# Altium PCB betaV2.3.PcbDoc (part 1 of 2)
Units mm, origin at the board's own origin, x right, y up, seen from the top; angles counter-clockwise.
Board outline 80.01 x 100.08 mm, 2 copper layers (Top Layer, Bottom Layer), stack 1.671 mm thick; 215 components, 117 nets, 570 pads, 209 vias.
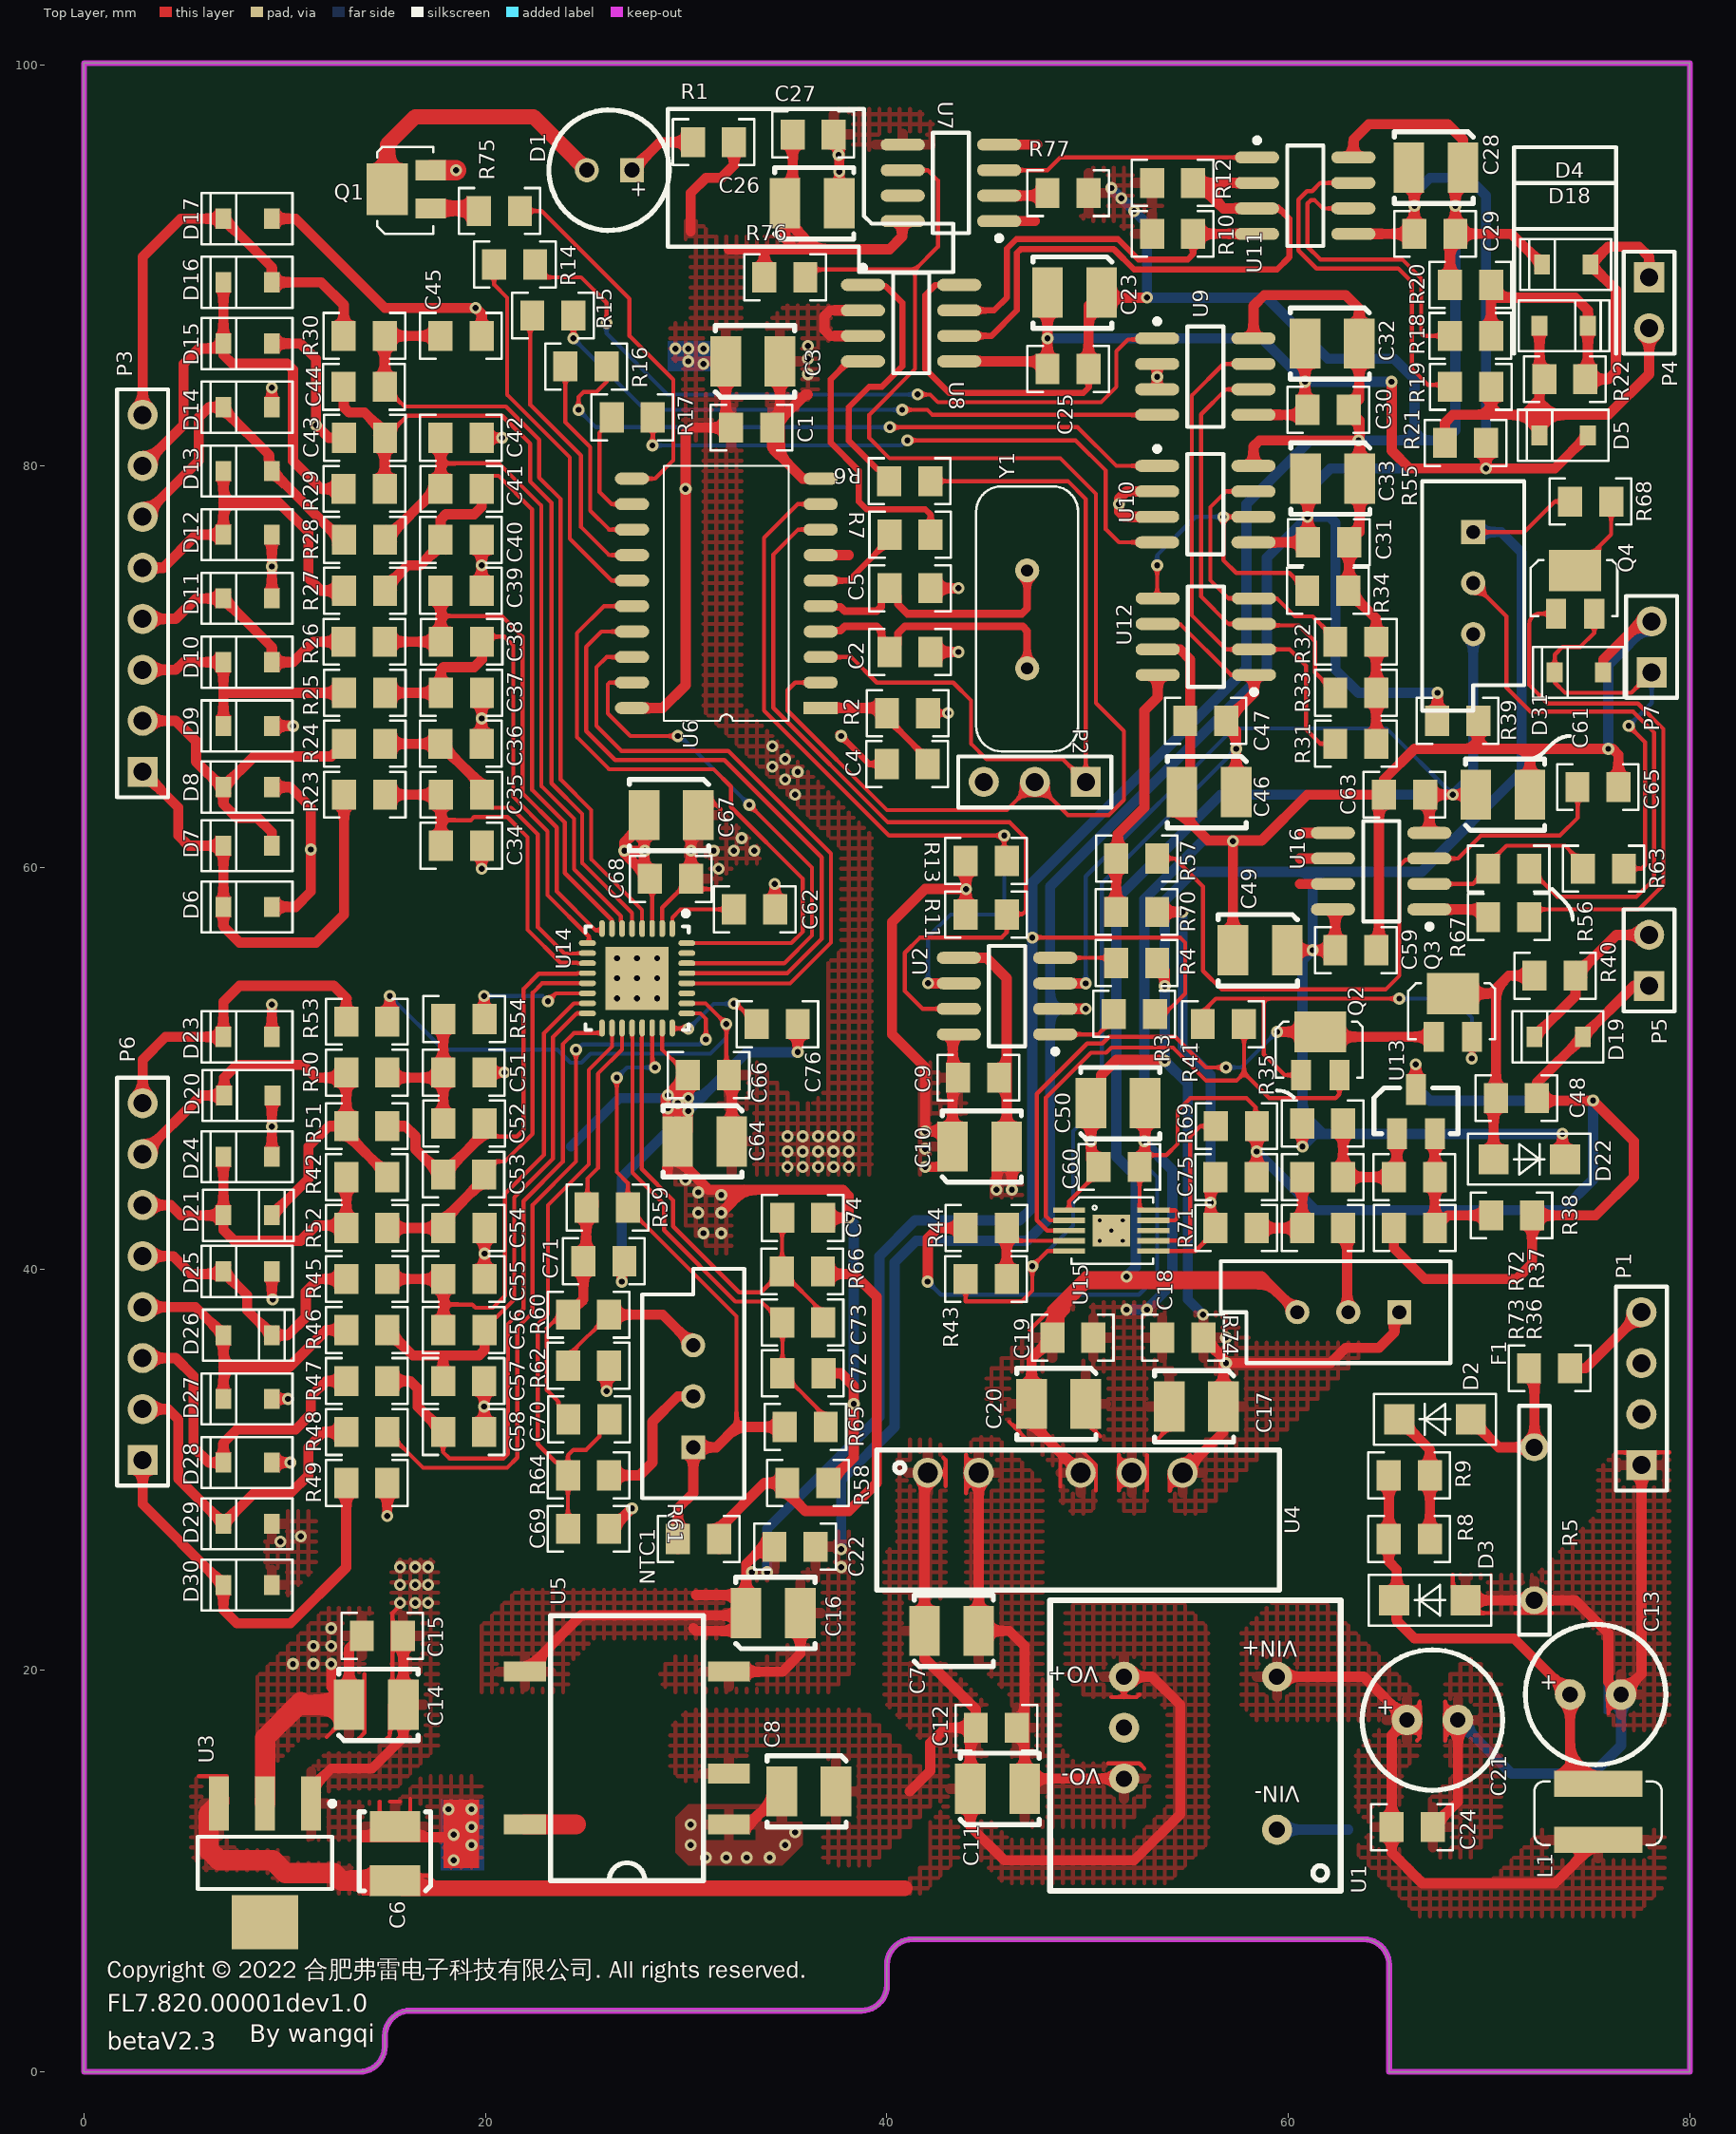
[diagram p0: Top Layer view]
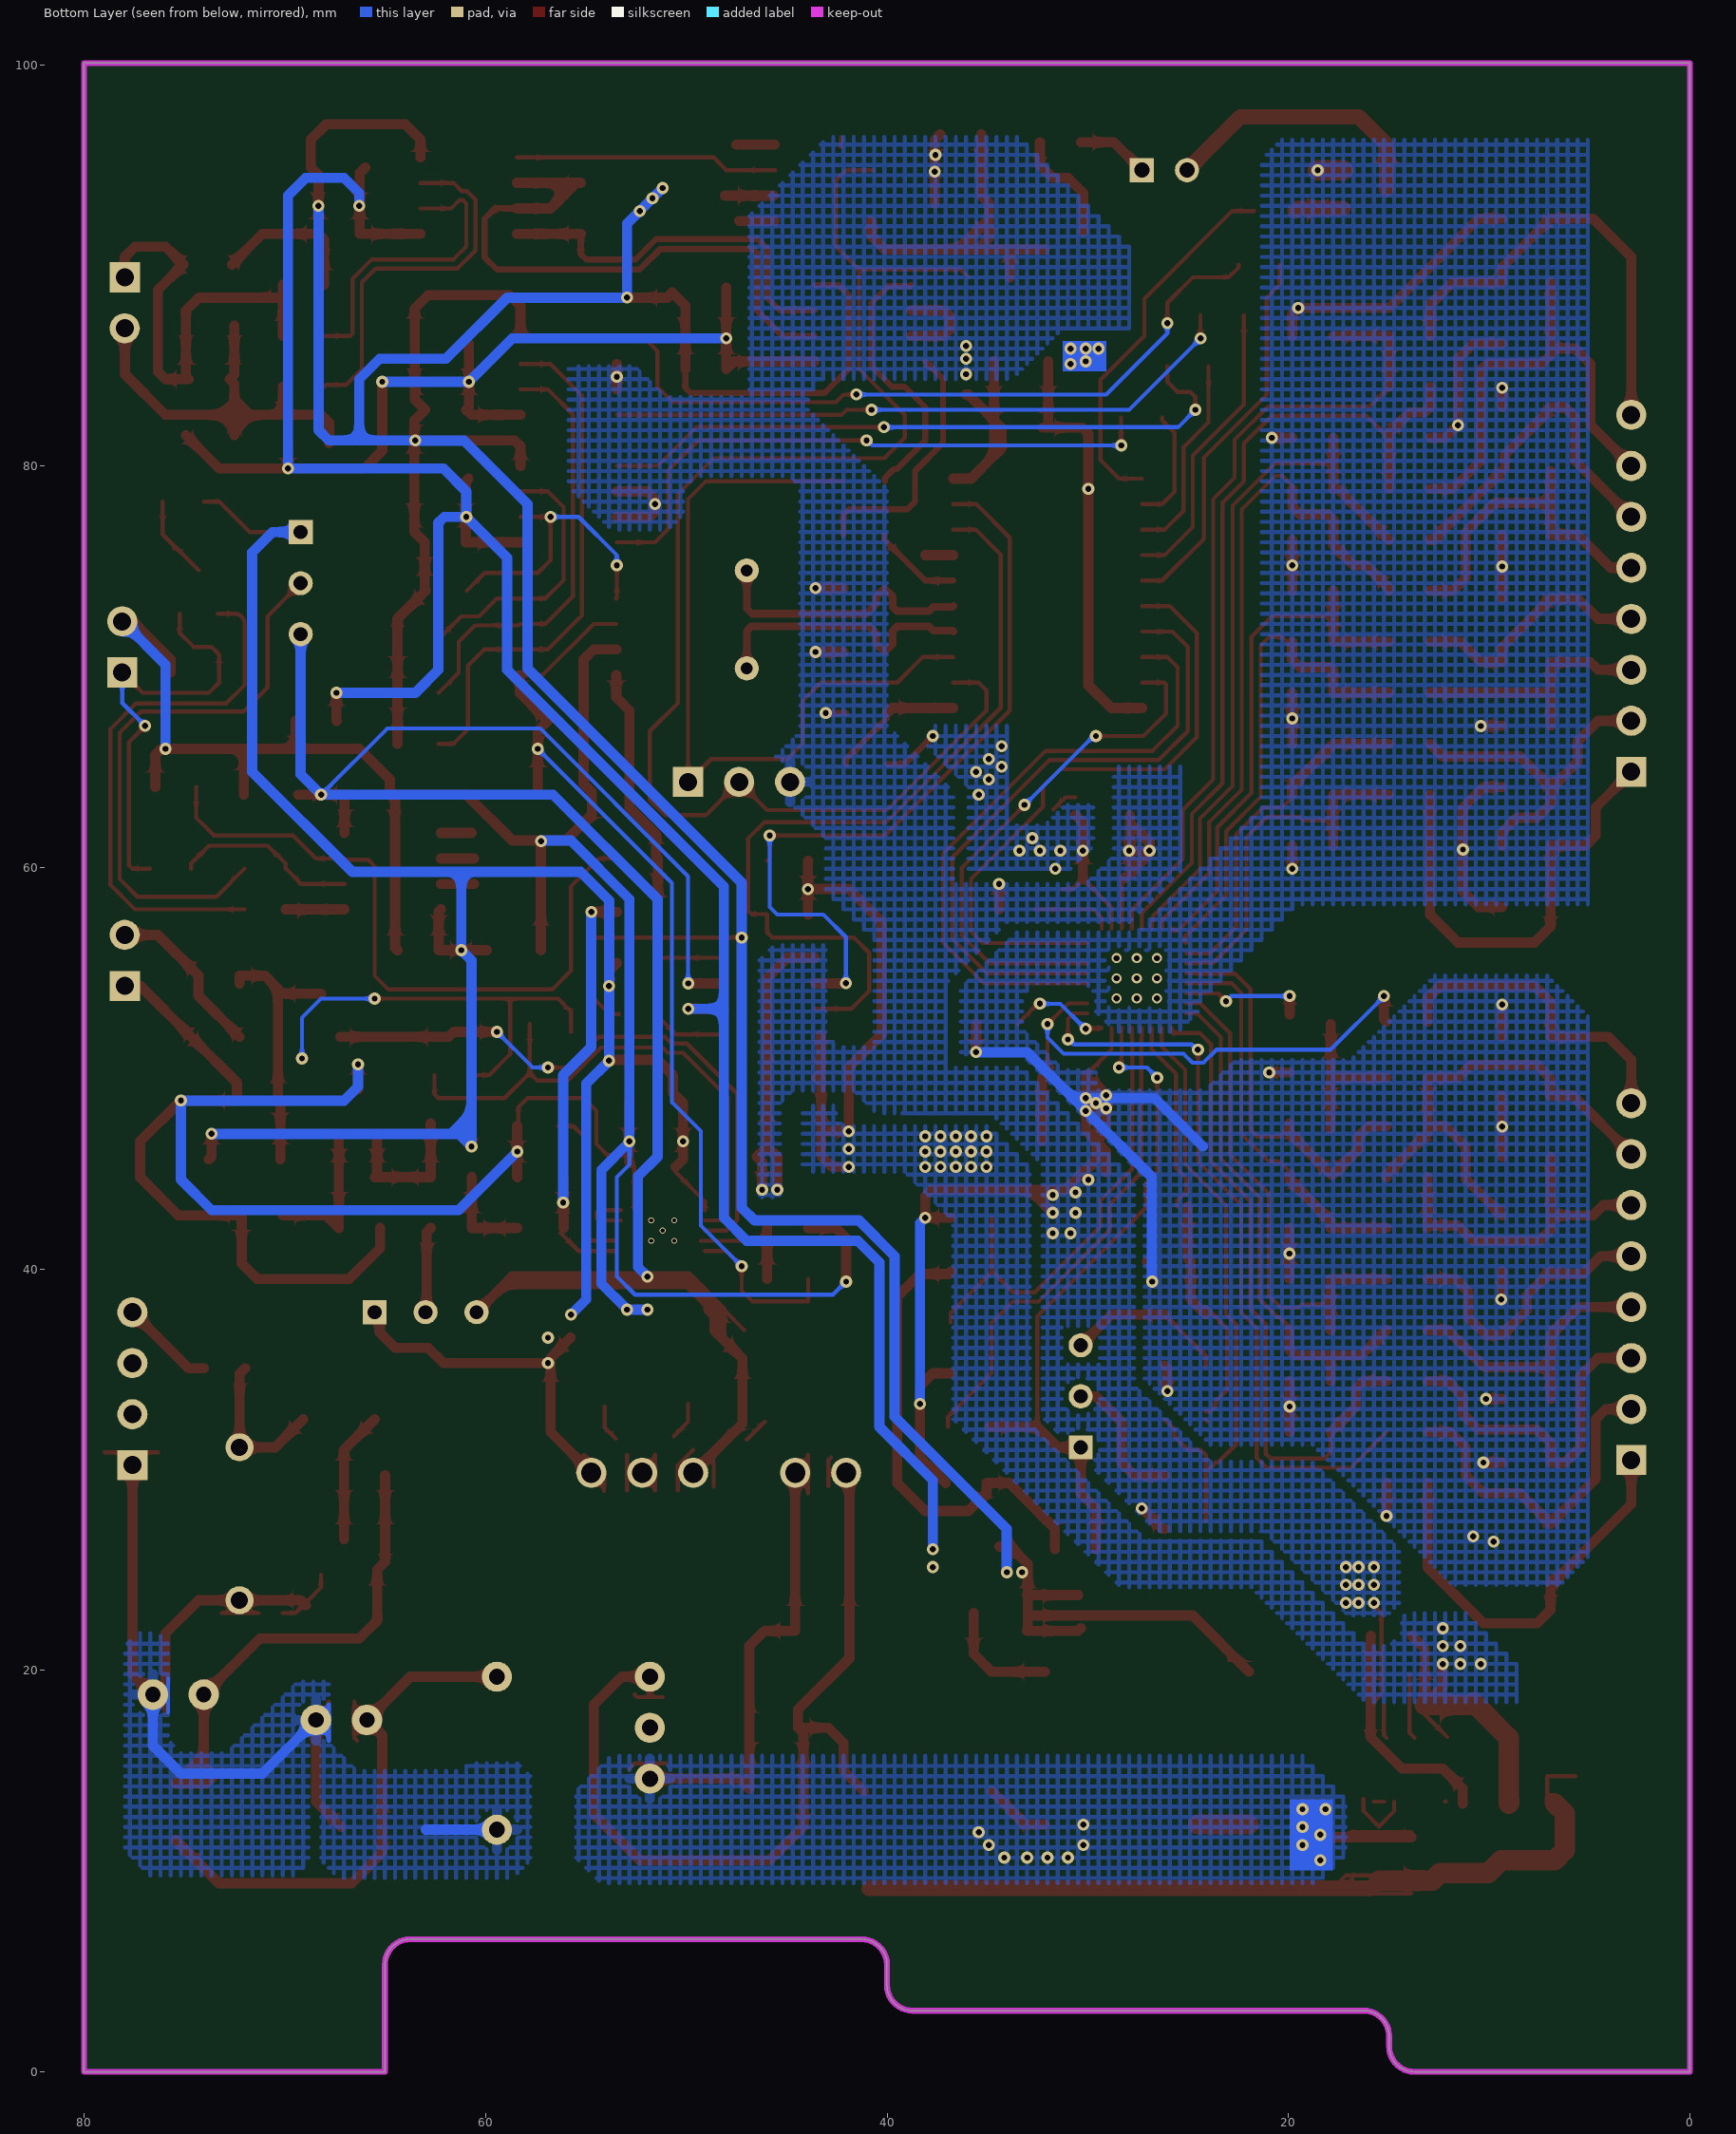
[diagram p1: Bottom Layer view, seen from below]
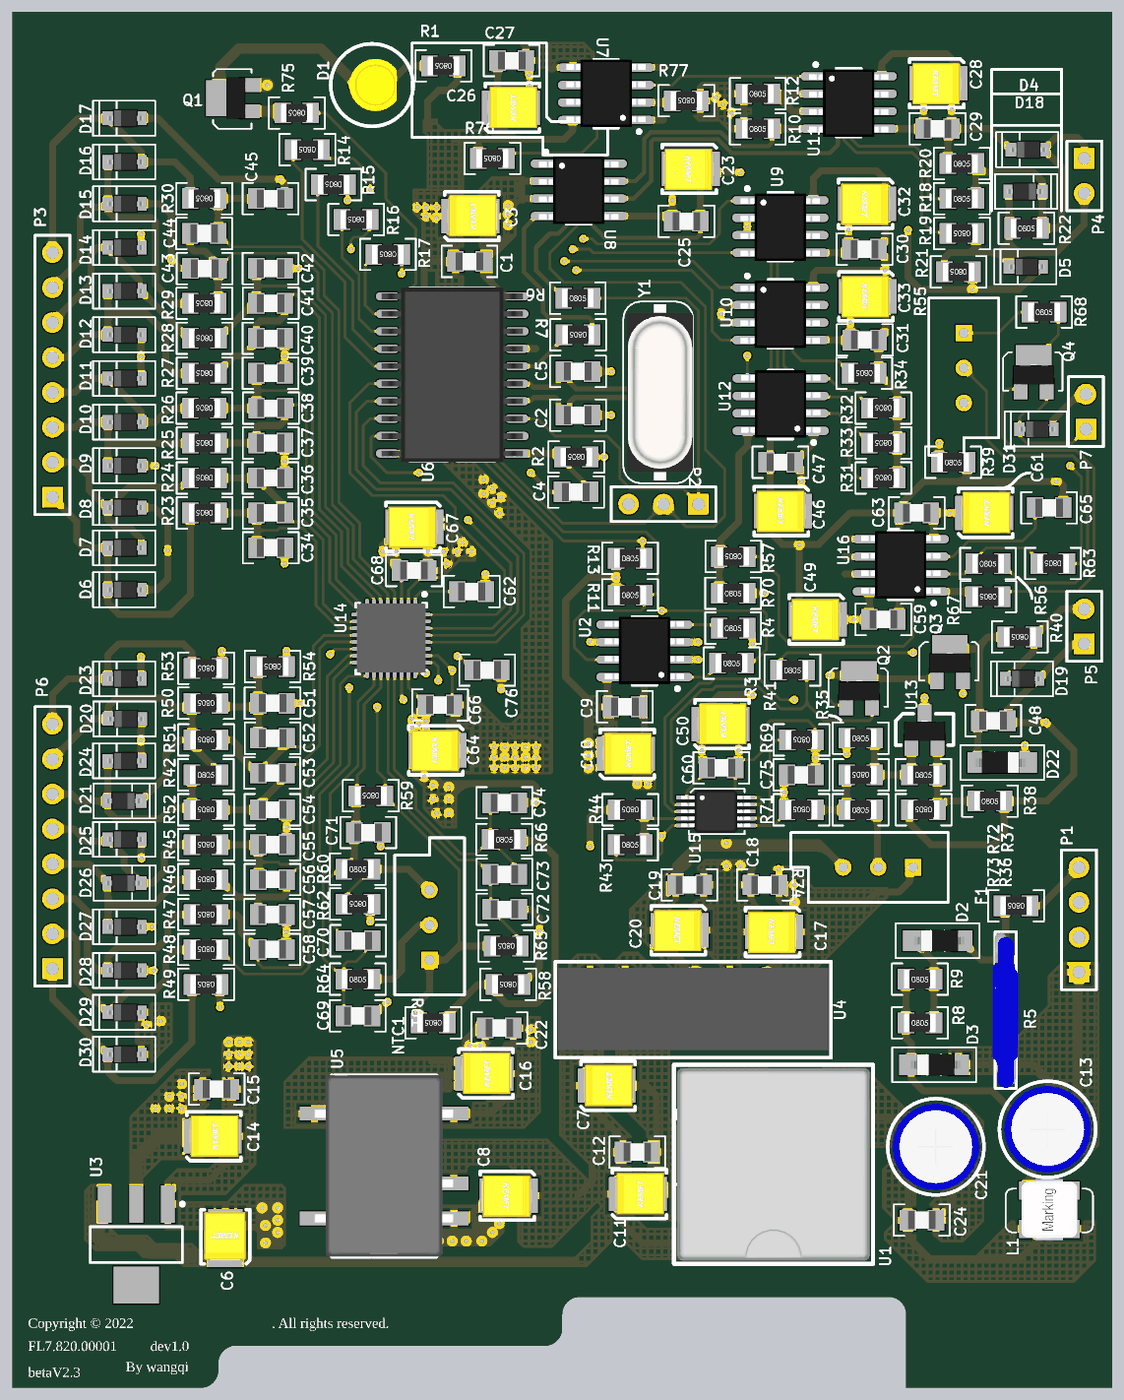
[diagram p3: 3D render of the assembled board from above, using the file's embedded part models]

## Layer stack, top to bottom
Top Solder: solder mask 0.0102, Solder Resist, Dk 3.5
Top Layer: signal copper 0.0356
Dielectric 1: dielectric 1.6, FR-4, Dk 4.8
Bottom Layer: signal copper 0.0356
Bottom Solder: solder mask 0.0102, Solder Resist, Dk 3.5

## Board outline
0,0 0,100.076 80.01,100.076 80.01,0 65.024,0 65.024,5.334 ccw(c63.754,5.334) 63.754,6.604 41.275,6.604 ccw(c41.275,5.334) 40.005,5.334 40.005,4.318 cw(c38.735,4.318) 38.735,3.048 16.256,3.048 ccw(c16.256,1.778) 14.986,1.778 14.986,1.27 cw(c13.716,1.27) 13.716,0

## Design rules (kind name [scope] priority, off if disabled: settings)
Clearance [All] p1: gap=0.254 ignorepadtopadclearanceinfootprint=FALSE except(0.2: Arc-Arc Arc-Track Arc-SMDPad Track-Track Track-SMDPad SMDPad-SMDPad)
DiffPairsRouting COM485_DiffPairsRouting [InDifferentialPair ('RS485')] p1: maxlimit=0.254 minlimit=0.254 mostfreqgap=0.254 toplayer_minwidth=0.203 toplayer_maxwidth=0.508 toplayer_prefwidth=0.203 bottomlayer_minwidth=0.203 bottomlayer_maxwidth=0.508 bottomlayer_prefwidth=0.203 maxuncoupledlength=12.7
DiffPairsRouting ADC_DiffPairsRouting [All] p2: maxlimit=0.254 minlimit=0.254 mostfreqgap=0.254 toplayer_minwidth=0.203 toplayer_maxwidth=0.508 toplayer_prefwidth=0.203 bottomlayer_minwidth=0.203 bottomlayer_maxwidth=0.508 bottomlayer_prefwidth=0.203 maxuncoupledlength=12.7
MatchedLengths COM485_MatchedLengths [InDifferentialPair ('RS485')] p1: tolerance=25.4 checknetsindiffpair=FALSE checkdiffpairvsdiffpair=TRUE checkxsignals=TRUE checkothers=TRUE
MatchedLengths ADC_MatchedLengths [InDifferentialPair('CHN2') And InDifferentialPair('CHN2') And InDifferentialPair('CHN3')And InDifferentialPair('CHN4')And InDifferentialPair('CHN5')And InDifferentialPair('CHN6')And InDifferentialPair('CHN7')And InDifferentialPair('REFIN1')] p2: tolerance=25.4 checknetsindiffpair=FALSE checkdiffpairvsdiffpair=TRUE checkxsignals=TRUE checkothers=TRUE
PolygonConnect PolygonConnectVia [IsVia] p1: connectstyle=Direct reliefconductorwidth=0.254 reliefentries=4 polygonreliefangle="90 Angle" airgapwidth=0.254
PolygonConnect [All] p2: connectstyle=Relief reliefconductorwidth=0.508 reliefentries=4 polygonreliefangle="90 Angle" airgapwidth=0.254
RoutingVias [All] p1: holewidth=0.3 width=0.6 viastyle="Through Hole" minholewidth=0.254 minwidth=0.508 maxholewidth=0.711 maxwidth=1.27
ShortCircuit [All] p1: allowed=TRUE
SilkToSilkClearance [All] p1 off: silktosilkclearance=0.254
SolderMaskExpansion [All] p1: expansion=0.102 istentingtop=FALSE
Width [All] p1: maxlimit=1.016 minlimit=0.203 preferedwidth=0.203
27 further rules are at their usual default settings.

## Classes and differential pairs
differential pair XTAL: +XTAL_P -XTAL_N
differential pair RS485: +RS485_P -RS485_N
differential pair CHN5: +CHN5_P -CHN5_N
differential pair CHN7: +CHN7_P -CHN7_N
differential pair CHN6: +CHN6_P -CHN6_N
differential pair REFIN1: +REFIN1_P -REFIN1_N
differential pair CHN4: +CHN4_P -CHN4_N
differential pair CHN3: +CHN3_P -CHN3_N
differential pair CHN2: +CHN2_P -CHN2_N
differential pair CHN1: +CHN1_P -CHN1_N

## Components (designator, comment, footprint, x,y, rotation, side; value= is the part's Value field where it differs from the comment)
C1 "CC0805MRX7R9BB104" 0805C 32.242,81.915 r0 top value=0.1uF
C2 "CC0805MRX7R9BB330" 0805C 40.132,70.739 r0 top value=33pF
C3 "T494B106M006AHAUTO" CB 31.971,85.217 r90 top value=10uF
C4 "CC0805MRX7R9BB106" 0805C 39.989,65.151 r0 top value=10uF
C5 "CC0805MRX7R9BB330" 0805C 40.132,73.914 r0 top value=33pF
C6 "T494B106M006AHAUTO" CB 15.494,9.525 r180 top value=10uF
C7 "T494B106M006AHAUTO" CB 41.877,21.971 r90 top value=10uF
C8 "T494B106M006AHAUTO" CB 37.465,13.97 r270 top value=10uF
C9 "CC0805MRX7R9BB104" 0805C 43.545,49.53 r0 top value=0.1uF
C10 "T494B106M006AHAUTO" CB 43.274,46.101 r90 top value=10uF
C11 "T494B107M006AHAUTO" CB 44.163,14.097 r90 top value=100uF
C12 "CC0805MRX7R9BB104" 0805C 46.482,17.145 r180 top value=0.1uF
C13 "ECR1HQG100M-063007" Φ6.3×11.5 74.041,18.796 r0 top value=10uF
C14 "T494B476M010AHAUTO" CB 13.208,18.288 r90 top value=47uF
C15 "CC0805MRX7R9BB104" 0805C 13.843,21.717 r0 top value=0.1uF
C16 "T494B106M006AHAUTO" CB 32.987,22.86 r90 top value=10uF
C17 "T494B476K025ATAUTO" CB 56.769,33.147 r270 top value=47uF
C18 "CC0805MRX7R9BB104" 0805C 55.769,36.576 r180 top value=0.1uF
C19 "CC0805MRX7R9BB104" 0805C 48.244,36.576 r0 top value=0.1uF
C20 "T494B476K025ATAUTO" CB 49.911,33.274 r270 top value=47uF
C21 "ECR1HQG100M-063007" Φ6.3×11.5 65.913,17.526 r0 top value=10uF
C22 "CC0805MRX7R9BB104" 0805C 36.449,26.162 r180 top value=0.1uF
C23 "T494B106M006AHAUTO" CB 50.706,88.646 r270 top value=10uF
C24 "CC0805MRX7R9BB104" 0805C 65.151,12.192 r0 top value=0.1uF
C25 "CC0805MRX7R9BB104" 0805C 50.054,84.836 r180 top value=0.1uF
C26 "T494B106M006AHAUTO" CB 34.925,93.091 r90 top value=10uF
C27 "CC0805MRX7R9BB104" 0805C 35.306,96.52 r0 top value=0.1uF
C28 "T494B106M006AHAUTO" CB 68.707,94.869 r270 top value=10uF
C29 "CC0805MRX7R9BB104" 0805C 68.326,91.567 r180 top value=0.1uF
C30 "CC0805MRX7R9BB104" 0805C 63.008,82.804 r180 top value=0.1uF
C31 "CC0805MRX7R9BB104" 0805C 63.032,76.2 r180 top value=0.1uF
C32 "T494B106M006AHAUTO" CB 63.533,86.106 r270 top value=10uF
C33 "T494B106M006AHAUTO" CB 63.557,79.375 r270 top value=10uF
C34 "CC0805MRX7R9BB103" 0805C 17.78,61.087 r0 top value=0.01uF
C35 "CC0805MRX7R9BB104" 0805C 17.78,63.627 r0 top value=0.1uF
C36 "CC0805MRX7R9BB103" 0805C 17.764,66.167 r0 top value=0.01uF
C37 "CC0805MRX7R9BB103" 0805C 17.78,68.707 r0 top value=0.01uF
C38 "CC0805MRX7R9BB104" 0805C 19.828,71.247 r180 top value=0.1uF
C39 "CC0805MRX7R9BB103" 0805C 17.764,73.787 r0 top value=0.01uF
C40 "CC0805MRX7R9BB103" 0805C 17.764,76.327 r0 top value=0.01uF
C41 "CC0805MRX7R9BB104" 0805C 19.812,78.867 r180 top value=0.1uF
C42 "CC0805MRX7R9BB103" 0805C 17.764,81.407 r0 top value=0.01uF
C43 "CC0805MRX7R9BB103" 0805C 15.002,81.407 r180 top value=0.01uF
C44 "CC0805MRX7R9BB104" 0805C 12.938,83.947 r0 top value=0.1uF
C45 "CC0805MRX7R9BB103" 0805C 17.764,86.487 r0 top value=0.01uF
C46 "T494B106M006AHAUTO" CB 57.404,63.754 r270 top value=10uF
C47 "CC0805MRX7R9BB104" 0805C 54.864,67.31 r0 top value=0.1uF
C48 "CC0805MRX7R9BB103" 0805C 70.342,48.514 r0 top value=0.01uF
C49 "T494B106M025AHAUTO" CB 59.944,55.88 r270 top value=10uF
C50 "T494B106M025AHAUTO" CB 50.165,48.26 r90 top value=10uF
C51 "CC0805MRX7R9BB103" 0805C 17.907,49.784 r0 top value=0.01uF
C52 "CC0805MRX7R9BB104" 0805C 19.955,47.244 r180 top value=0.1uF
C53 "CC0805MRX7R9BB104" 0805C 17.891,44.704 r0 top value=0.1uF
C54 "CC0805MRX7R9BB103" 0805C 17.907,42.037 r0 top value=0.01uF
C55 "CC0805MRX7R9BB103" 0805C 17.907,39.497 r0 top value=0.01uF
C56 "CC0805MRX7R9BB104" 0805C 17.907,36.957 r0 top value=0.1uF
C57 "CC0805MRX7R9BB103" 0805C 17.891,34.417 r0 top value=0.01uF
C58 "CC0805MRX7R9BB103" 0805C 17.891,31.877 r0 top value=0.01uF
C59 "CC0805MRX7R9BB104" 0805C 64.389,55.88 r180 top value=0.1uF
C60 "CC0805MRX7R9BB104" 0805C 52.594,45.085 r180 top value=0.1uF
C61 "T494B106M025AHAUTO" CB 69.342,63.627 r90 top value=10uF
C62 "CC0805MRX7R9BB104" 0805C 34.433,57.912 r180 top value=0.1uF
C63 "CC0805MRX7R9BB104" 0805C 64.77,63.627 r0 top value=0.1uF
C64 "T494B106M006AHAUTO" CB 32.275,46.355 r270 top value=10uF
C65 "CC0805MRX7R9BB104" 0805C 74.406,64.008 r0 top value=0.1uF
C66 "CC0805MRX7R9BB104" 0805C 32.131,49.657 r180 top value=0.1uF
C67 "T494B106M006AHAUTO" CB 30.607,62.611 r270 top value=10uF
C68 "CC0805MRX7R9BB104" 0805C 30.242,59.436 r180 top value=0.1uF
C69 "CC0805MRX7R9BB103" 0805C 24.114,27.051 r0 top value=0.01uF
C70 "CC0805MRX7R9BB104" 0805C 26.178,32.512 r180 top value=0.1uF
C71 "CC0805MRX7R9BB103" 0805C 24.876,40.386 r0 top value=0.01uF
C72 "CC0805MRX7R9BB103" 0805C 34.798,34.798 r0 top value=0.01uF
C73 "CC0805MRX7R9BB104" 0805C 34.782,37.338 r0 top value=0.1uF
C74 "CC0805MRX7R9BB103" 0805C 34.782,42.545 r0 top value=0.01uF
C75 "CC0805MRX7R9BB104" 0805C 58.42,44.577 r180 top value=0.1uF
C76 "CC0805MRX7R9BB104" 0805C 35.56,52.197 r180 top value=0.1uF
D1 "150080GS75000" LEDΦ3.0 27.305,94.742 r180 top
D2 "1N5819HW" SOD123 69.088,32.512 r180 top
D3 "1N5819HW" SOD123 68.834,23.495 r180 top
D4 "SD12CT1" SOD323 75.057,90.043 r180 top
D5 "SD12CT1" SOD323 74.93,81.534 r180 top
D6 "SD03C" SOD323 9.36,58.039 r180 top
D7 "SD03C" SOD323 9.36,61.087 r180 top
D8 "SD03C" SOD323 9.36,64.008 r180 top
D9 "SD03C" SOD323 9.36,67.056 r180 top
D10 "SD03C" SOD323 9.36,70.231 r180 top
D11 "SD03C" SOD323 9.36,73.406 r180 top
D12 "SD03C" SOD323 9.36,76.581 r180 top
D13 "SD03C" SOD323 9.36,79.756 r180 top
D14 "SD03C" SOD323 9.36,82.931 r180 top
D15 "SD03C" SOD323 9.36,86.106 r180 top
D16 "SD03C" SOD323 9.36,89.154 r180 top
D17 "SD03C" SOD323 9.36,92.329 r180 top
D18 "SD12CT1" SOD323 72.517,86.995 r0 top
D19 "SD15CT1" SOD323 74.676,51.562 r180 top
D20 "SD03C" SOD323 9.398,48.641 r180 top
D21 "SD03C" SOD323 6.947,42.672 r0 top
D22 "RB160MM-50TF" SOD123 70.231,45.466 r0 top
D23 "SD03C" SOD323 9.36,51.562 r180 top
D24 "SD03C" SOD323 9.36,45.593 r180 top
D25 "SD03C" SOD323 9.36,39.878 r180 top
D26 "SD03C" SOD323 6.947,36.703 r0 top
D27 "SD03C" SOD323 9.36,33.528 r180 top
D28 "SD03C" SOD323 9.36,30.353 r180 top
D29 "SD03C" SOD323 9.36,27.305 r180 top
D30 "SD03C" SOD323 9.36,24.257 r180 top
D31 "SD15CT1" SOD323 75.692,69.723 r180 top
F1 "Fuse 1" 0805R 74.041,35.052 r180 top
L1 "VLS4012HBX-150M" VLS4012 75.438,14.351 r0 top value=15uH
NTC1 "NTCS0805E3103JHT" 0805R 31.639,26.543 r180 top
P1 "Header 4" HDR1X4 77.597,30.226 r90 top
P2 "Header 3" HDR1X3 49.911,64.262 r180 top
P3 "Header 8" HDR1X8 2.921,64.77 r90 top
P4 "Header 2" HDR1X2 77.978,89.408 r270 top
P5 "Header 2" HDR1X2 77.978,54.102 r90 top
P6 "Header 8" HDR1X8 2.921,30.48 r90 top
P7 "Header 2" HDR1X2 78.105,69.723 r90 top
Q1 "MMSS8050" SOT-23-BJT 17.272,92.842 r90 top
Q2 "SS8550" SOT-23-BJT 60.645,49.657 r0 top
Q3 "SI2309" SOT-23-MOS 67.249,51.562 r0 top
Q4 "MMSS8050" SOT-23-BJT 73.345,72.644 r0 top
R1 "RC0805JR-07120RL" 0805R 32.385,96.139 r180 top value=120
R2 "RC0805JR-0710KL" 0805R 42.053,67.691 r180 top value=10K
R3 "RC0805JR-07470RL" 0805R 51.308,52.705 r0 top value=470
R4 "RC0805JR-074700RL" 0805R 51.419,55.245 r0 top value=4.7K
R5 "10D470K" MOV 72.263,27.305 r90 top
R6 "RC0805JR-071KL" 0805R 40.116,79.248 r0 top value=1K
R7 "RC0805JR-071KL" 0805R 42.18,76.581 r180 top value=1K
R8 "PNP-200KJBJ26-10R" 0805R 65.008,26.543 r0 top value=10
R9 "PNP-200KJBJ26-10R" 0805R 65.008,29.718 r0 top value=10
R10 "RC0805JR-0710KRL" 0805R 53.213,91.567 r0 top value=10K
R11 "RC0805JR-071KL" 0805R 43.926,57.658 r0 top value=1K
R12 "RC0805JR-0710KRL" 0805R 53.213,94.107 r0 top value=10K
R13 "RC0805JR-071KL" 0805R 43.926,60.325 r0 top value=1K
R14 "RC0805JR-07470RL" 0805R 22.479,90.043 r180 top value=470
R15 "RC0805JR-07470RL" 0805R 24.384,87.503 r180 top value=470
R16 "RC0805JR-07470RL" 0805R 26.035,84.963 r180 top value=470
R17 "RC0805JR-07470RL" 0805R 28.337,82.423 r180 top value=470
R18 "RC0805JR-0720RL" 0805R 68.056,86.487 r0 top value=20
R19 "RC0805JR-0720RL" 0805R 70.104,83.947 r180 top value=20
R20 "RC0805JR-0710KL" 0805R 68.056,89.027 r0 top value=10K
R21 "RC0805JR-0710KL" 0805R 69.85,81.153 r180 top value=10K
R22 "RC0805JR-07120RL" 0805R 72.755,84.328 r0 top value=120
R23 "RC0805JR-071KL" 0805R 15.002,63.627 r180 top value=1K
R24 "RC0805JR-071KL" 0805R 15.002,66.167 r180 top value=1K
R25 "RC0805JR-071KL" 0805R 15.002,68.707 r180 top value=1K
R26 "RC0805JR-071KL" 0805R 14.986,71.247 r180 top value=1K
R27 "RC0805JR-071KL" 0805R 15.002,73.787 r180 top value=1K
R28 "RC0805JR-071KL" 0805R 15.002,76.327 r180 top value=1K
R29 "RC0805JR-071KL" 0805R 14.986,78.867 r180 top value=1K
R30 "RC0805JR-071KL" 0805R 14.986,86.487 r180 top value=1K
R31 "RC0805JR-071KL" 0805R 64.389,66.167 r180 top value=1K
R32 "RC0805JR-071KL" 0805R 64.389,71.247 r180 top value=1K
R33 "RC0805JR-071KL" 0805R 64.389,68.707 r180 top value=1K
R34 "RC0805JR-071KL" 0805R 62.992,73.787 r180 top value=1K
R35 "RC0805JR-073KL" 0805R 60.69,47.244 r0 top value=3K
R36 "RC0805JR-0710KL" 0805R 67.31,42.037 r180 top value=10K
R37 "RC0805JR-073KL" 0805R 65.262,44.577 r0 top value=3K
R38 "RC0805JR-0710KL" 0805R 70.104,42.672 r0 top value=10K
R39 "RC0805JR-000KL" 0805R 67.421,67.31 r0 top value=0R
R40 "RC0805JR-0715RL" 0805R 74.311,54.61 r180 top value=15
R41 "RC0805JR-0715RL" 0805R 55.737,52.197 r0 top value=15
R42 "RC0805JR-075600RL" 0805R 13.065,44.577 r0 top value=5.6K
R43 "RC0805JR-075600RL" 0805R 43.926,39.497 r0 top value=5.6K
R44 "RC0805JR-078200RL" 0805R 45.974,42.037 r180 top value=8.2K
R45 "RC0805JR-071KL" 0805R 15.113,39.497 r180 top value=1K
R46 "RC0805JR-071KL" 0805R 15.113,36.957 r180 top value=1K
R47 "RC0805JR-071KL" 0805R 15.113,34.417 r180 top value=1K
R48 "RC0805JR-07470RL" 0805R 15.113,31.877 r180 top value=470